# Altium PCB DIOT_Kasli_Adapter.PcbDoc (part 6 of 10)
Units mm, origin at the board's own origin, x right, y up, seen from the top; angles counter-clockwise.
Board outline 220.04 x 100 mm, 12 copper layers (Top Layer, L2GND, L3, L4, L5GND, L6, L7, L8GND, L9, L10, L11GND, Bottom Layer), stack 1.691 mm thick; 201 components, 445 nets, 1582 pads, 691 vias.
Unrouted connection lines stored in the file: 4.
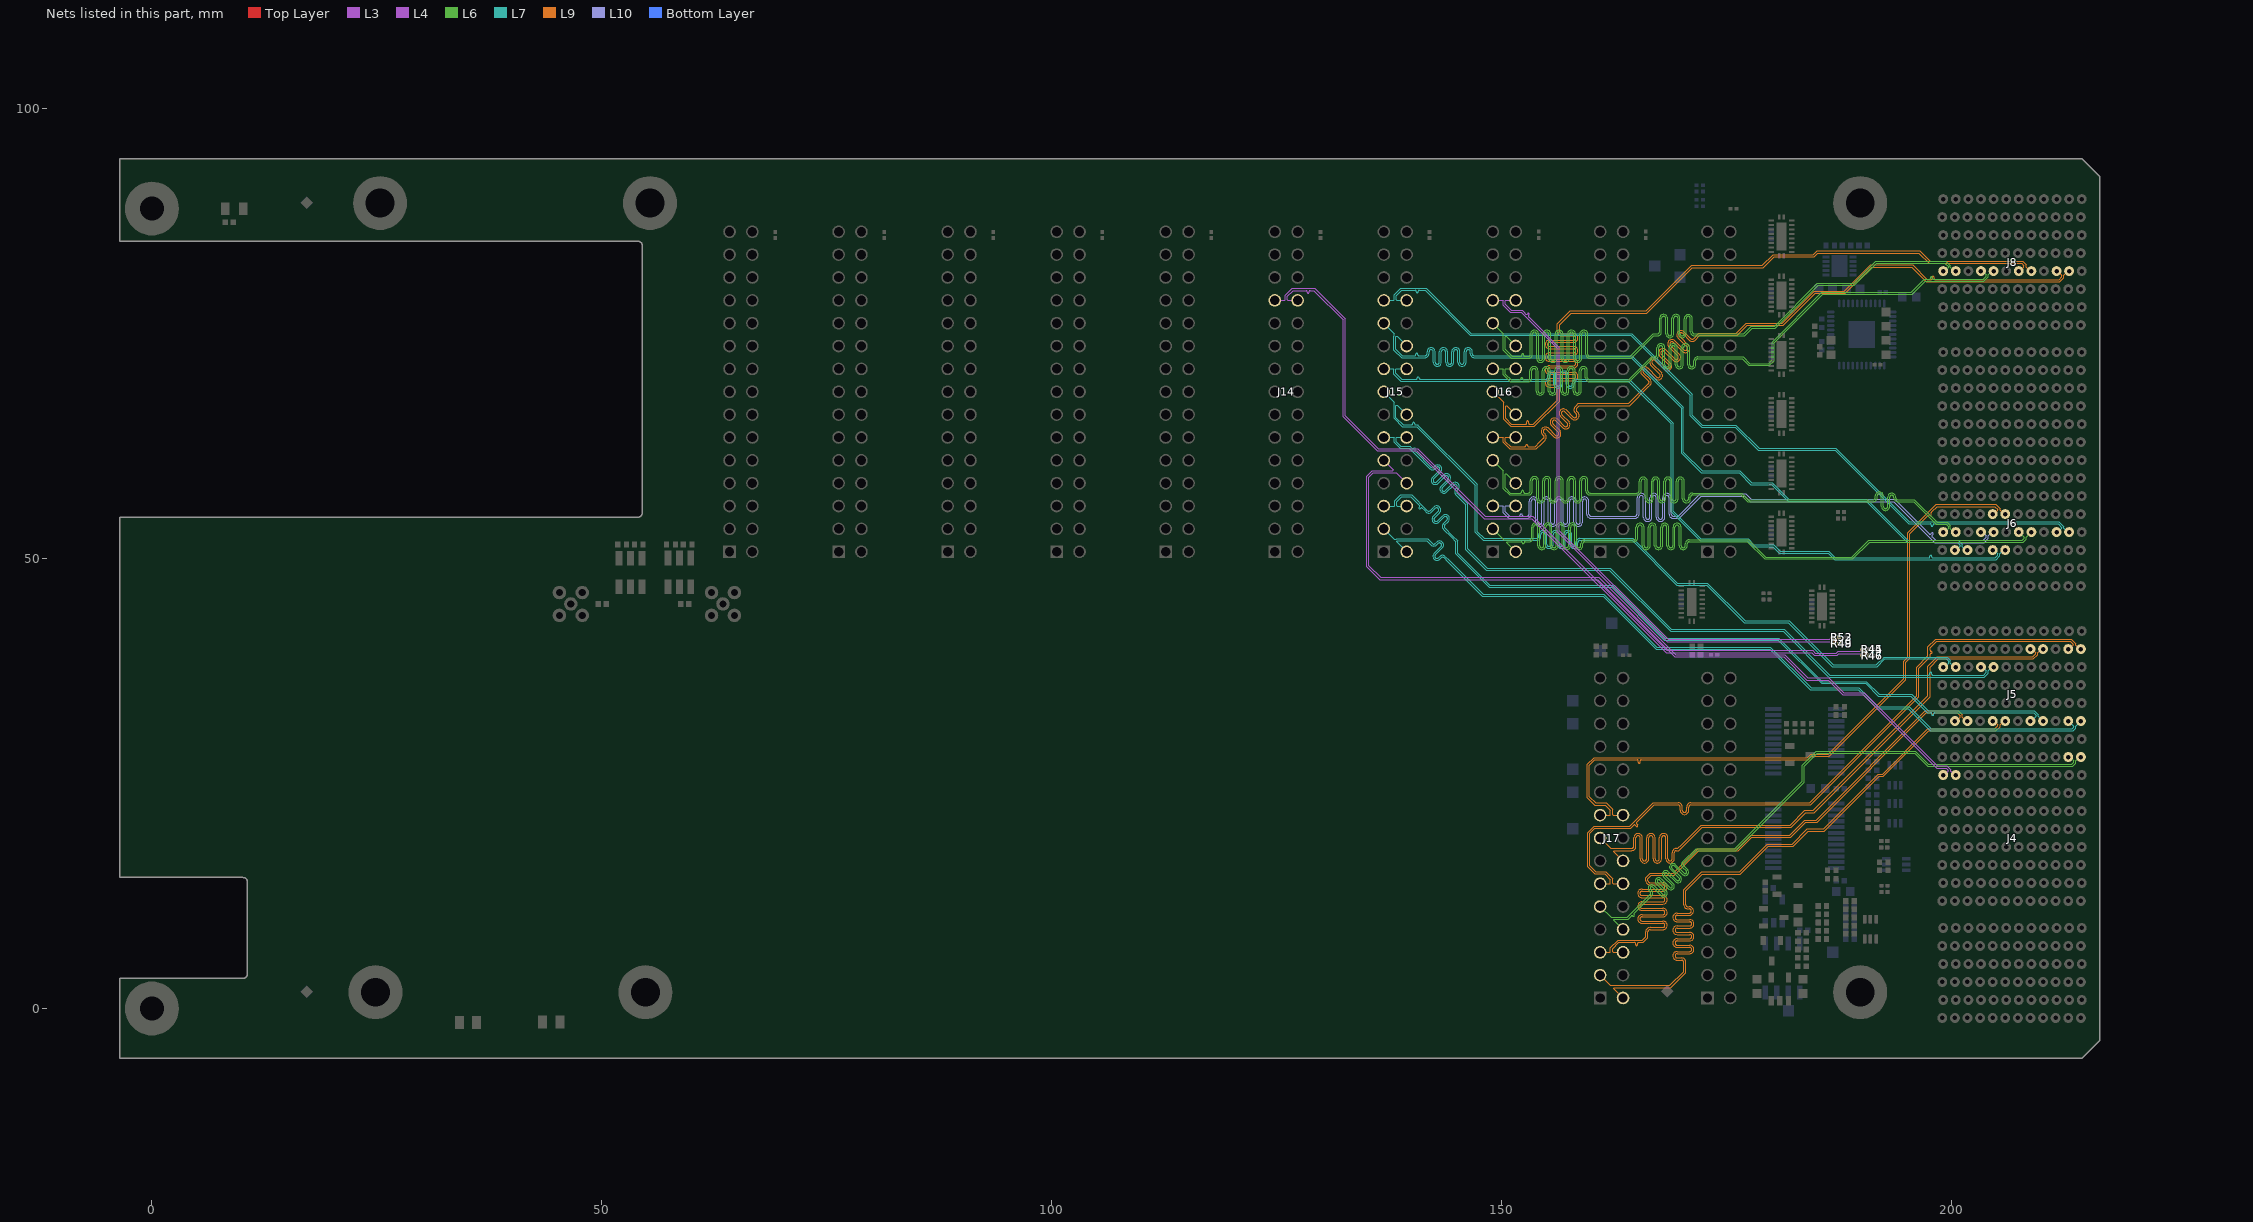
[diagram p16: the nets of this part, all layers, seen from the top]

## Via types
v1: diameter 0.5, hole 0.2, Top Layer to Bottom Layer, tented both sides, 649 vias
v2: diameter 0.5, hole 0.2, Top Layer to Bottom Layer, 32 vias
v3: diameter 0.65, hole 0.3, Top Layer to Bottom Layer, tented both sides, 6 vias
v4: diameter 0.8, hole 0.5, Top Layer to Bottom Layer, tented both sides, 4 vias

## Nets (pads, with @x,y where several pads share a name; then routed paths per layer and width w, separated by ;. In a path a pad name is that pad's centre, name@x,y a point inside that pad or via, vN(x,y) a via of type N, cw(c..) or ccw(c..) an arc to the next point about the centre after c; other vN are vias at no path point) (continued)
EXT5.LVDS_7_N: J14.24 R46.2 R47.1 | length 91.4
  Top Layer w0.089: v1(190.095,39.261) 190.127,39.261 190.345,39.48 190.614,39.48 190.666,39.427 190.666,39.385 190.831,39.219 R46.2@190.851,39.219
  L3 w0.089: J14.24@127.325,78.702 126.228,78.702 126.176,78.754 126.176,79.153 126.818,79.795 128.016,79.795 128.276,79.795 cw(c128.276,79.687) 128.384,79.687 128.384,79.611 ccw(c128.492,79.611) 128.6,79.611 128.6,79.687 cw(c128.708,79.687) 128.708,79.795 128.905,79.795 129.112,79.795 132.371,76.536 132.371,65.788 136.185,61.975 140.554,61.975 148.078,54.451 153.366,54.451 168.265,39.552 184.463,39.552 184.757,39.258 187.286,39.258 187.482,39.454 189.837,39.454 190.03,39.261 v1(190.095,39.261)
  Bottom Layer w0.089: v1(190.095,39.261) 190.127,39.261 190.345,39.48 190.614,39.48 190.666,39.427 190.666,39.385 190.831,39.219 R47.1@190.851,39.219
EXT5.LVDS_7_P: J14.23 R44.2 R45.1 | length 91.4
  Top Layer w0.089: v1(190.095,39.888) 190.127,39.888 190.345,39.67 190.614,39.67 190.666,39.722 190.666,39.765 190.831,39.93 R44.2@190.851,39.93
  L3 w0.089: J14.23@124.785,78.702 125.882,78.702 125.934,78.754 125.934,79.253 126.718,80.037 129.212,80.037 132.613,76.636 132.613,65.888 136.285,62.216 140.654,62.216 148.177,54.693 153.466,54.693 168.365,39.793 184.563,39.793 184.857,39.5 187.186,39.5 187.382,39.695 189.837,39.695 190.03,39.888 v1(190.095,39.888)
  Bottom Layer w0.089: v1(190.095,39.888) 190.127,39.888 190.345,39.67 190.614,39.67 190.666,39.722 190.666,39.765 190.831,39.93 R45.1@190.851,39.93
EXT6.LVDS_0_N: J5.B3 J15.3 | length 89.6
  L7 w0.089: J15.3@136.904,53.302 138.061,52.145 138.272,52.145 138.319,52.192 141.788,52.192 142.189,51.791 142.297,51.682 ccw(c142.463,51.849) 142.629,51.683 142.773,51.827 cw(c143.092,51.508) 143.411,51.827 cw(c143.092,51.508) 143.411,51.189 ; 143.41,51.188 142.638,50.417 ccw(c142.804,50.25) 142.638,50.084 ccw(c142.804,50.25) 142.97,50.084 143.114,50.228 cw(c143.433,49.909) 143.752,50.228 144.119,49.861 147.928,46.052 161.362,46.052 167.247,40.167 179.873,40.167 184.411,35.629 189.713,35.629 191.822,33.52 195.285,33.52 197.615,31.191 197.704,31.101 213.428,31.101 213.561,31.234 213.561,31.358 J5.B3@212.969,31.95
EXT6.LVDS_0_P: J5.A3 J15.2 | length 89.6
  L7 w0.089: J15.2@139.444,50.762 138.356,51.85 138.356,51.924 138.408,51.976 141.699,51.976 142.037,51.638 142.144,51.531 ccw(c142.463,51.849) 142.782,51.53 142.926,51.674 cw(c143.092,51.508) 143.258,51.674 cw(c143.092,51.508) 143.259,51.342 142.486,50.569 ccw(c142.804,50.25) 142.486,49.932 ccw(c142.804,50.25) 143.123,49.932 143.267,50.075 cw(c143.433,49.909) 143.599,50.075 143.966,49.709 147.838,45.836 161.273,45.836 167.157,39.951 179.783,39.951 184.321,35.413 189.623,35.413 191.732,33.304 195.196,33.304 197.399,31.101 197.615,30.885 213.518,30.885 213.777,31.144 213.777,31.358 J5.A3@214.369,31.95
EXT6.LVDS_1_N: J5.E3 J15.6 | length 89.7
  L7 w0.089: J15.6@139.444,55.842 138.394,55.842 138.342,55.894 138.342,56.32 138.89,56.868 139.912,56.868 140.694,56.086 140.878,55.902 cw(c140.801,55.826) 140.878,55.749 140.828,55.699 ccw(c140.904,55.623) 140.828,55.547 ccw(c140.904,55.623) 140.98,55.547 141.03,55.597 cw(c141.107,55.52) 141.183,55.597 141.316,55.464 141.481,55.299 141.588,55.192 ccw(c141.908,55.51) 142.226,55.191 142.614,55.579 cw(c142.78,55.413) 142.947,55.579 cw(c142.78,55.413) 142.947,55.247 142.387,54.687 ccw(c142.706,54.369) 142.387,54.05 ccw(c142.706,54.369) 143.025,54.05 ; 143.025,54.05 143.584,54.609 cw(c143.75,54.443) 143.916,54.609 cw(c143.75,54.443) 143.917,54.278 143.528,53.889 ccw(c143.847,53.57) 143.529,53.251 144.377,52.403 144.887,51.893 144.887,50.515 148.605,46.797 162.217,46.797 168.07,40.944 180.733,40.944 185.552,36.125 190.437,36.125 191.85,34.712 195.478,34.712 197.322,32.867 197.434,32.867 197.695,32.867 cw(c197.695,32.76) 197.803,32.76 197.803,32.684 ccw(c197.91,32.684) 198.018,32.684 198.018,32.76 cw(c198.126,32.76) 198.126,32.867 198.322,32.867 209.109,32.867 209.395,32.581 209.395,32.508 208.934,32.047 208.934,31.95 J5.E3@208.769,31.95
EXT6.LVDS_1_P: J5.D3 J15.5 | length 89.7
  L7 w0.089: J15.5@136.904,55.842 138.074,55.842 138.126,55.894 138.126,56.41 138.801,57.084 140.001,57.084 141.634,55.451 141.742,55.343 ccw(c141.908,55.51) 142.074,55.344 142.462,55.732 cw(c142.78,55.413) 143.099,55.732 cw(c142.78,55.413) 143.099,55.094 ; 143.099,55.094 142.54,54.535 ccw(c142.706,54.369) 142.54,54.202 ccw(c142.706,54.369) 142.871,54.202 143.431,54.762 cw(c143.75,54.443) 144.069,54.762 cw(c143.75,54.443) 144.069,54.124 ; 144.069,54.124 143.681,53.736 ccw(c143.847,53.57) 143.681,53.404 144.529,52.556 145.103,51.982 145.103,50.604 148.662,47.045 162.275,47.045 168.16,41.159 180.822,41.159 185.641,36.34 190.527,36.34 191.94,34.928 195.567,34.928 197.411,33.083 209.198,33.083 209.611,32.671 209.611,32.508 210.003,32.116 210.003,31.95 J5.D3@210.169,31.95
EXT6.LVDS_2_N: J4.L8 J15.9 | length 89.7
  L4 w0.089: J15.9@136.904,60.922 137.942,59.884 137.942,59.811 137.89,59.759 135.614,59.759 134.996,59.141 134.996,49.118 136.442,47.673 160.675,47.673 169.257,39.091 181.343,39.091 183.934,36.5 186.269,36.5 187.92,34.849 190.206,34.849 198.332,26.722 199.389,26.722 199.648,26.463 199.648,26.389 199.209,25.95 J4.L8@199.069,25.95
EXT6.LVDS_2_P: J4.K8 J15.8 | length 89.7
  L4 w0.089: J15.8@139.444,58.382 138.275,59.551 138.023,59.551 137.99,59.517 135.714,59.517 135.238,59.041 135.238,49.218 136.542,47.914 160.775,47.914 169.357,39.332 181.443,39.332 184.034,36.741 186.369,36.741 188.02,35.09 190.306,35.09 198.432,26.964 199.489,26.964 199.889,26.563 199.889,26.389 200.329,25.95 J4.K8@200.469,25.95
EXT6.LVDS_3_N: J5.I6 J15.12 | length 89.7
  L7 w0.089: J15.12@139.444,63.462 138.321,63.462 138.269,63.41 138.269,62.998 138.808,62.46 139.845,62.46 139.913,62.392 140.058,62.246 ccw(c140.134,62.323) 140.211,62.246 140.218,62.253 cw(c140.294,62.177) 140.371,62.253 cw(c140.294,62.177) 140.371,62.101 140.363,62.094 ccw(c140.44,62.017) 140.363,61.941 140.548,61.757 142.033,60.271 142.142,60.163 ccw(c142.307,60.329) 142.474,60.163 142.582,60.272 cw(c142.901,59.953) 143.22,60.272 cw(c142.901,59.953) 143.22,59.634 ; 143.219,59.634 142.444,58.859 ccw(c142.611,58.693) 142.444,58.527 ccw(c142.611,58.693) 142.776,58.526 143.552,59.302 cw(c143.871,58.983) 144.19,59.302 cw(c143.871,58.983) 144.19,58.664 ; 144.189,58.664 143.414,57.889 ccw(c143.58,57.723) 143.414,57.557 ccw(c143.58,57.723) 143.746,57.556 144.522,58.332 cw(c144.841,58.013) 145.16,58.332 cw(c144.841,58.013) 145.16,57.695 145.051,57.586 ccw(c145.217,57.42) 145.05,57.254 145.564,56.74 146.229,56.075 146.229,51.101 148.389,48.941 162.051,48.941 168.868,42.124 181.389,42.124 186.458,37.055 197.409,37.055 197.453,37.055 ccw(c197.453,37.163) 197.561,37.163 197.561,37.258 cw(c197.669,37.258) 197.777,37.258 197.777,37.163 ccw(c197.885,37.163) 197.885,37.055 198.196,37.055 203.56,37.055 203.861,37.356 203.861,37.534 203.445,37.95 J5.I6@203.269,37.95
EXT6.LVDS_3_P: J5.H6 J15.11 | length 89.7
  L7 w0.089: J15.11@136.904,63.462 138.001,63.462 138.053,63.41 138.053,62.908 138.718,62.244 139.755,62.244 141.881,60.118 141.988,60.011 ccw(c142.307,60.329) 142.626,60.01 142.735,60.119 cw(c142.901,59.953) 143.067,60.119 cw(c142.901,59.953) 143.068,59.788 142.292,59.011 ccw(c142.611,58.693) 142.292,58.374 ccw(c142.611,58.693) 142.929,58.374 ; 142.93,58.374 143.705,59.149 cw(c143.871,58.983) 144.037,59.149 cw(c143.871,58.983) 144.038,58.818 143.262,58.042 ccw(c143.58,57.723) 143.262,57.404 ccw(c143.58,57.723) 143.899,57.404 ; 143.9,57.404 144.675,58.18 cw(c144.841,58.013) 145.007,58.18 cw(c144.841,58.013) 145.008,57.848 144.898,57.738 ccw(c145.217,57.42) 144.899,57.1 145.411,56.588 146.013,55.986 146.013,51.012 148.299,48.725 161.962,48.725 168.779,41.908 181.3,41.908 186.368,36.839 203.649,36.839 204.077,37.267 204.077,37.561 204.466,37.95 J5.H6@204.669,37.95
EXT6.LVDS_4_N: J5.L6 J15.15 | length 89.7
  L7 w0.089: J15.15@136.904,68.542 138.065,67.381 138.065,67.129 138.039,67.103 138.039,65.574 138.964,64.648 140.573,64.648 147.065,58.156 147.065,52.909 147.954,52.019 153.746,52.019 153.899,52.019 ccw(c153.899,52.47) 154.349,52.47 154.349,52.673 cw(c154.584,52.673) 154.819,52.673 154.819,51.581 ccw(c155.27,51.581) 155.721,51.581 155.721,52.673 cw(c155.956,52.673) 156.191,52.673 156.191,51.581 ccw(c156.642,51.581) 157.093,51.581 157.093,52.673 cw(c157.328,52.673) 157.563,52.673 157.563,51.581 ccw(c158.013,51.581) 158.464,51.581 158.464,51.784 cw(c158.699,51.784) 158.699,52.019 159.614,52.019 164.49,52.019 169.443,47.066 172.77,47.066 176.956,42.881 181.847,42.881 186.743,37.985 191.731,37.985 192.595,38.849 199.432,38.849 199.661,38.62 199.661,38.539 199.661,38.376 199.234,37.95 J5.L6@199.069,37.95
EXT6.LVDS_4_P: J5.K6 J15.14 | length 89.7
  L7 w0.089: J15.14@139.444,66.002 138.38,67.066 138.307,67.066 138.255,67.013 138.255,65.663 139.054,64.864 139.827,64.864 139.998,64.864 ccw(c139.998,64.972) 140.106,64.972 140.106,65.033 cw(c140.214,65.033) 140.322,65.033 140.322,64.972 ccw(c140.43,64.972) 140.43,64.864 140.662,64.864 140.691,64.836 147.281,58.245 147.281,52.998 148.044,52.235 153.746,52.235 153.899,52.235 ccw(c153.899,52.47) 154.134,52.47 154.134,52.673 cw(c154.584,52.673) 155.035,52.673 155.035,51.581 ccw(c155.27,51.581) 155.505,51.581 155.505,52.673 cw(c155.956,52.673) 156.407,52.673 156.407,51.581 ccw(c156.642,51.581) 156.877,51.581 156.877,52.673 cw(c157.328,52.673) 157.778,52.673 157.778,51.581 ccw(c158.013,51.581) 158.248,51.581 158.248,51.784 cw(c158.699,51.784) 158.699,52.235 159.614,52.235 164.579,52.235 169.532,47.282 172.86,47.282 177.045,43.097 181.937,43.097 186.833,38.201 191.642,38.201 192.506,39.065 199.522,39.065 199.877,38.71 199.877,38.45 199.877,38.376 200.303,37.95 J5.K6@200.469,37.95
EXT6.LVDS_5_N: J6.H3 J15.18 | length 89.7
  L7 w0.089: J15.18@139.444,71.082 138.283,71.082 138.231,71.03 138.231,70.603 138.885,69.949 140.056,69.949 140.506,69.949 ccw(c140.506,70.057) 140.614,70.057 140.614,70.075 cw(c140.722,70.075) 140.83,70.075 140.83,70.057 ccw(c140.938,70.057) 140.938,69.949 141.199,69.949 154.737,69.949 154.889,69.949 ccw(c154.889,70.184) 155.124,70.184 155.124,70.387 cw(c155.575,70.387) 156.026,70.387 156.026,69.397 ccw(c156.261,69.397) 156.496,69.397 156.496,70.387 cw(c156.947,70.387) 157.397,70.387 157.397,69.397 ccw(c157.632,69.397) 157.867,69.397 157.867,69.498 cw(c158.318,69.498) 158.318,69.949 158.936,69.949 164.162,69.949 169.058,65.053 169.058,55.275 172.151,52.182 177.409,52.182 178.041,51.549 180.222,51.549 180.958,50.814 186.373,50.814 187.099,50.087 197.434,50.087 197.479,50.087 ccw(c197.479,50.195) 197.587,50.195 197.587,50.244 cw(c197.695,50.244) 197.803,50.244 197.803,50.195 ccw(c197.91,50.195) 197.91,50.087 198.171,50.087 204.867,50.087 205.161,50.381 205.161,50.534 204.745,50.95 J6.H3@204.569,50.95
EXT6.LVDS_5_P: J6.G3 J15.17 | length 89.7
  L7 w0.089: J15.17@136.904,71.082 137.963,71.082 138.016,71.03 138.016,70.514 138.796,69.733 154.737,69.733 154.889,69.733 ccw(c154.889,70.184) 155.34,70.184 155.34,70.387 cw(c155.575,70.387) 155.81,70.387 155.81,69.397 ccw(c156.261,69.397) 156.712,69.397 156.712,70.387 cw(c156.947,70.387) 157.182,70.387 157.182,69.397 ccw(c157.632,69.397) 158.083,69.397 158.083,69.498 cw(c158.318,69.498) 158.318,69.733 158.936,69.733 164.072,69.733 168.842,64.963 168.842,55.186 172.061,51.966 177.319,51.966 177.952,51.333 180.133,51.333 180.869,50.598 186.283,50.598 187.01,49.871 204.956,49.871 205.377,50.291 205.377,50.561 205.766,50.95 J6.G3@205.969,50.95
EXT6.LVDS_6_N: J6.K3 J15.21 | length 89.7
  L7 w0.089: J15.21@136.904,76.162 138.061,75.005 138.061,74.757 138.033,74.729 138.033,73.182 138.882,72.332 141.326,72.332 141.478,72.332 ccw(c141.478,72.783) 141.929,72.783 141.929,72.986 cw(c142.164,72.986) 142.399,72.986 142.399,71.835 ccw(c142.85,71.835) 143.3,71.835 143.3,72.986 cw(c143.535,72.986) 143.77,72.986 143.77,71.835 ccw(c144.221,71.835) 144.672,71.835 144.672,72.986 cw(c144.907,72.986) 145.142,72.986 145.142,71.835 ccw(c145.593,71.835) 146.044,71.835 146.044,72.986 cw(c146.279,72.986) 146.514,72.986 146.514,72.783 ccw(c146.964,72.783) 146.964,72.332 147.574,72.332 164.376,72.332 169.99,66.718 169.99,61.71 172.178,59.521 176.393,59.521 177.71,58.205 180,58.205 181.832,56.373 190.51,56.373 195.048,51.834 200.628,51.834 200.961,51.502 200.961,51.366 200.545,50.95 J6.K3@200.369,50.95
EXT6.LVDS_6_P: J6.J3 J15.20 | length 89.7
  L7 w0.089: J15.20@139.444,73.622 138.375,74.691 138.301,74.691 138.249,74.639 138.249,73.271 138.972,72.548 140.03,72.548 140.354,72.548 ccw(c140.354,72.656) 140.462,72.656 140.462,72.704 cw(c140.57,72.704) 140.678,72.704 140.678,72.656 ccw(c140.786,72.656) 140.786,72.548 141.046,72.548 141.326,72.548 141.478,72.548 ccw(c141.478,72.783) 141.713,72.783 141.713,72.986 cw(c142.164,72.986) 142.615,72.986 142.615,71.835 ccw(c142.85,71.835) 143.085,71.835 143.085,72.986 cw(c143.535,72.986) 143.986,72.986 143.986,71.835 ccw(c144.221,71.835) 144.456,71.835 144.456,72.986 cw(c144.907,72.986) 145.358,72.986 145.358,71.835 ccw(c145.593,71.835) 145.828,71.835 145.828,72.986 cw(c146.279,72.986) 146.729,72.986 146.729,72.783 ccw(c146.964,72.783) 146.964,72.548 147.574,72.548 164.465,72.548 170.205,66.808 170.205,61.799 172.268,59.737 176.483,59.737 177.8,58.421 180.09,58.421 181.921,56.589 190.599,56.589 195.138,52.05 200.717,52.05 201.177,51.591 201.177,51.339 201.566,50.95 J6.J3@201.769,50.95
EXT6.LVDS_7_N: J6.C4 J15.24 | length 89.7
  L7 w0.089: J15.24@139.444,78.702 138.334,78.702 138.282,78.754 138.282,79.221 138.878,79.817 140.132,79.817 140.392,79.817 cw(c140.392,79.709) 140.5,79.709 140.5,79.656 ccw(c140.608,79.656) 140.716,79.656 140.716,79.709 cw(c140.824,79.709) 140.824,79.817 141.097,79.817 141.519,79.817 146.534,74.801 164.351,74.801 170.971,68.181 170.971,65.858 172.211,64.618 175.95,64.618 178.523,62.044 187.053,62.044 195.231,53.866 197.358,53.866 197.618,53.866 cw(c197.618,53.759) 197.726,53.759 197.726,53.7 ccw(c197.834,53.7) 197.942,53.7 197.942,53.759 cw(c198.05,53.759) 198.05,53.866 198.272,53.866 211.844,53.866 212.261,53.45 212.261,53.376 211.834,52.95 J6.C4@211.669,52.95
EXT6.LVDS_7_P: J6.B4 J15.23 | length 89.7
  L7 w0.089: J15.23@136.904,78.702 138.014,78.702 138.066,78.754 138.066,79.31 138.789,80.033 141.607,80.033 146.624,75.017 164.44,75.017 171.187,68.27 171.187,65.948 172.301,64.834 176.039,64.834 178.613,62.26 187.143,62.26 195.32,54.082 211.934,54.082 212.477,53.539 212.477,53.376 212.903,52.95 J6.B4@213.069,52.95
EXT7.LVDS_0_N: J6.F4 J16.3 | length 100.5
  L6 w0.089: J16.3@149.022,53.31 150.252,52.08 150.504,52.08 150.53,52.106 152.933,52.106 153.086,52.106 ccw(c153.086,52.341) 153.321,52.341 153.321,53.512 cw(c153.772,53.512) 154.222,53.512 154.222,51.452 ccw(c154.457,51.452) 154.692,51.452 154.692,53.512 cw(c155.143,53.512) 155.594,53.512 155.594,51.452 ccw(c155.829,51.452) 156.064,51.452 156.064,53.512 cw(c156.515,53.512) 156.966,53.512 156.966,51.452 ccw(c157.201,51.452) 157.436,51.452 157.436,53.512 cw(c157.886,53.512) 158.337,53.512 158.337,51.452 ccw(c158.572,51.452) 158.807,51.452 158.807,51.655 cw(c159.258,51.655) 159.258,52.106 160.172,52.106 164.541,52.106 164.694,52.106 ccw(c164.694,52.341) 164.929,52.341 164.929,53.473 cw(c165.379,53.473) 165.83,53.473 165.83,51.452 ccw(c166.065,51.452) 166.3,51.452 166.3,53.473 cw(c166.751,53.473) 167.202,53.473 167.202,51.452 ccw(c167.437,51.452) 167.672,51.452 167.672,53.473 cw(c168.123,53.473) 168.573,53.473 168.573,51.452 ccw(c168.808,51.452) 169.043,51.452 169.043,53.473 cw(c169.494,53.473) 169.945,53.473 169.945,51.452 ccw(c170.18,51.452) 170.415,51.452 170.415,51.655 cw(c170.866,51.655) 170.866,52.106 171.85,52.106 177.409,52.106 179.341,50.174 188.934,50.174 190.818,52.059 207.875,52.059 208.061,52.245 208.061,52.358 J6.F4@207.469,52.95
EXT7.LVDS_0_P: J6.E4 J16.2 | length 100.5
  L6 w0.089: J16.2@151.562,50.77 150.567,51.765 150.567,51.838 150.619,51.89 151.917,51.89 152.178,51.89 cw(c152.178,51.782) 152.286,51.782 ccw(c152.394,51.782) 152.502,51.782 cw(c152.61,51.782) 152.61,51.89 152.806,51.89 152.933,51.89 153.086,51.89 ccw(c153.086,52.341) 153.537,52.341 153.537,53.512 cw(c153.772,53.512) 154.007,53.512 154.007,51.452 ccw(c154.457,51.452) 154.908,51.452 154.908,53.512 cw(c155.143,53.512) 155.378,53.512 155.378,51.452 ccw(c155.829,51.452) 156.28,51.452 156.28,53.512 cw(c156.515,53.512) 156.75,53.512 156.75,51.452 ccw(c157.201,51.452) 157.651,51.452 157.651,53.512 cw(c157.886,53.512) 158.121,53.512 158.121,51.452 ccw(c158.572,51.452) 159.023,51.452 159.023,51.655 cw(c159.258,51.655) 159.258,51.89 160.172,51.89 164.541,51.89 164.694,51.89 ccw(c164.694,52.341) 165.144,52.341 165.144,53.473 cw(c165.379,53.473) 165.614,53.473 165.614,51.452 ccw(c166.065,51.452) 166.516,51.452 166.516,53.473 cw(c166.751,53.473) 166.986,53.473 166.986,51.452 ccw(c167.437,51.452) 167.888,51.452 167.888,53.473 cw(c168.123,53.473) 168.358,53.473 168.358,51.452 ccw(c168.808,51.452) 169.259,51.452 169.259,53.473 cw(c169.494,53.473) 169.729,53.473 169.729,51.452 ccw(c170.18,51.452) 170.631,51.452 170.631,51.655 cw(c170.866,51.655) 170.866,51.89 171.85,51.89 177.319,51.89 179.252,49.958 189.023,49.958 190.908,51.843 207.964,51.843 208.277,52.155 208.277,52.358 J6.E4@208.869,52.95
EXT7.LVDS_1_N: J6.I4 J16.6 | length 100.6
  L10 w0.089: J16.6@151.562,55.85 150.465,55.85 150.413,55.798 150.413,55.204 150.896,54.721 151.79,54.721 151.962,54.721 ccw(c151.962,54.829) 152.07,54.829 152.07,54.853 cw(c152.178,54.853) 152.286,54.853 152.286,54.829 ccw(c152.394,54.829) 152.394,54.721 152.654,54.721 152.819,54.721 ccw(c152.819,54.956) 153.054,54.956 153.054,56.377 cw(c153.53,56.377) 154.007,56.377 154.007,54.067 ccw(c154.242,54.067) 154.476,54.067 154.476,56.377 cw(c154.953,56.377) 155.429,56.377 155.429,54.067 ccw(c155.664,54.067) 155.899,54.067 155.899,56.377 cw(c156.375,56.377) 156.851,56.377 156.851,54.067 ccw(c157.086,54.067) 157.321,54.067 157.321,56.377 cw(c157.798,56.377) 158.274,56.377 158.274,54.067 ccw(c158.509,54.067) 158.744,54.067 158.744,56.377 cw(c159.22,56.377) 159.696,56.377 159.696,54.956 ccw(c159.931,54.956) 159.931,54.721 160.706,54.721 164.643,54.721 164.808,54.721 ccw(c164.808,54.956) 165.043,54.956 165.043,56.768 cw(c165.519,56.768) 165.995,56.768 165.995,54.6 ccw(c166.23,54.6) 166.465,54.6 166.465,56.768 cw(c166.942,56.768) 167.418,56.768 167.418,54.6 ccw(c167.653,54.6) 167.888,54.6 167.888,56.768 cw(c168.364,56.768) 168.84,56.768 168.84,54.956 ccw(c169.075,54.956) 169.075,54.721 169.623,54.721 169.792,54.889 172.09,57.188 177.124,57.188 177.727,56.585 193.679,56.585 197.496,52.767 197.528,52.736 ccw(c197.604,52.812) 197.68,52.736 197.775,52.83 cw(c197.851,52.754) 197.927,52.83 cw(c197.851,52.754) 197.927,52.677 197.833,52.583 ccw(c197.909,52.507) 197.833,52.43 198.055,52.208 198.249,52.014 203.51,52.014 203.848,52.353 203.848,52.539 203.437,52.95 J6.I4@203.269,52.95
EXT7.LVDS_1_P: J6.H4 J16.5 | length 100.6
  L10 w0.089: J16.5@149.022,55.85 150.119,55.85 150.171,55.798 150.171,55.104 150.796,54.479 152.654,54.479 152.819,54.479 ccw(c152.819,54.956) 153.295,54.956 153.295,56.377 cw(c153.53,56.377) 153.765,56.377 153.765,54.067 ccw(c154.242,54.067) 154.718,54.067 154.718,56.377 cw(c154.953,56.377) 155.188,56.377 155.188,54.067 ccw(c155.664,54.067) 156.14,54.067 156.14,56.377 cw(c156.375,56.377) 156.61,56.377 156.61,54.067 ccw(c157.086,54.067) 157.563,54.067 157.563,56.377 cw(c157.798,56.377) 158.032,56.377 158.032,54.067 ccw(c158.509,54.067) 158.985,54.067 158.985,56.377 cw(c159.22,56.377) 159.455,56.377 159.455,54.956 ccw(c159.931,54.956) 159.931,54.479 160.706,54.479 164.643,54.479 164.808,54.479 ccw(c164.808,54.956) 165.284,54.956 165.284,56.768 cw(c165.519,56.768) 165.754,56.768 165.754,54.6 ccw(c166.23,54.6) 166.707,54.6 166.707,56.768 cw(c166.942,56.768) 167.176,56.768 167.176,54.6 ccw(c167.653,54.6) 168.129,54.6 168.129,56.768 cw(c168.364,56.768) 168.599,56.768 168.599,54.956 ccw(c169.075,54.956) 169.075,54.479 169.723,54.479 169.792,54.548 172.19,56.946 177.024,56.946 177.627,56.343 193.579,56.343 198.149,51.773 203.61,51.773 204.089,52.253 204.089,52.559 204.481,52.95 J6.H4@204.669,52.95
EXT7.LVDS_2_N: J6.L4 J16.9 | length 100.6
  L6 w0.089: J16.9@149.022,60.93 150.195,59.757 150.195,59.505 150.169,59.479 150.169,57.786 150.881,57.074 152.806,57.074 152.959,57.074 ccw(c152.959,57.525) 153.41,57.525 153.41,58.665 cw(c153.645,58.665) 153.88,58.665 153.88,56.636 ccw(c154.33,56.636) 154.781,56.636 154.781,58.665 cw(c155.016,58.665) 155.251,58.665 155.251,56.636 ccw(c155.702,56.636) 156.153,56.636 156.153,58.665 cw(c156.388,58.665) 156.623,58.665 156.623,56.636 ccw(c157.074,56.636) 157.524,56.636 157.524,58.665 cw(c157.759,58.665) 157.994,58.665 157.994,56.636 ccw(c158.445,56.636) 158.896,56.636 158.896,58.665 cw(c159.131,58.665) 159.366,58.665 159.366,57.525 ccw(c159.817,57.525) 159.817,57.074 160.401,57.074 164.897,57.074 165.049,57.074 ccw(c165.049,57.525) 165.5,57.525 165.5,58.602 cw(c165.735,58.602) 165.97,58.602 165.97,56.661 ccw(c166.421,56.661) 166.872,56.661 166.872,58.602 cw(c167.107,58.602) 167.342,58.602 167.342,56.661 ccw(c167.792,56.661) 168.243,56.661 168.243,58.602 cw(c168.478,58.602) 168.713,58.602 168.713,56.661 ccw(c169.164,56.661) 169.615,56.661 169.615,58.602 cw(c169.85,58.602) 170.085,58.602 170.085,56.661 ccw(c170.536,56.661) 170.986,56.661 170.986,56.839 cw(c171.221,56.839) 171.221,57.074 172.161,57.074 176.597,57.074 177.34,56.331 191.135,56.331 191.287,56.331 ccw(c191.287,56.782) 191.738,56.782 191.738,56.965 cw(c191.973,56.965) 192.208,56.965 192.208,55.795 ccw(c192.659,55.795) 193.11,55.795 193.11,56.809 cw(c193.345,56.809) 193.58,56.809 193.58,56.782 ccw(c194.031,56.782) 194.031,56.331 194.64,56.331 195.771,56.331 198.303,53.799 199.419,53.799 199.661,53.557 199.661,53.366 199.245,52.95 J6.L4@199.069,52.95